# Altium PCB ISS_PCB.PcbDoc (part 1 of 4) (continued)
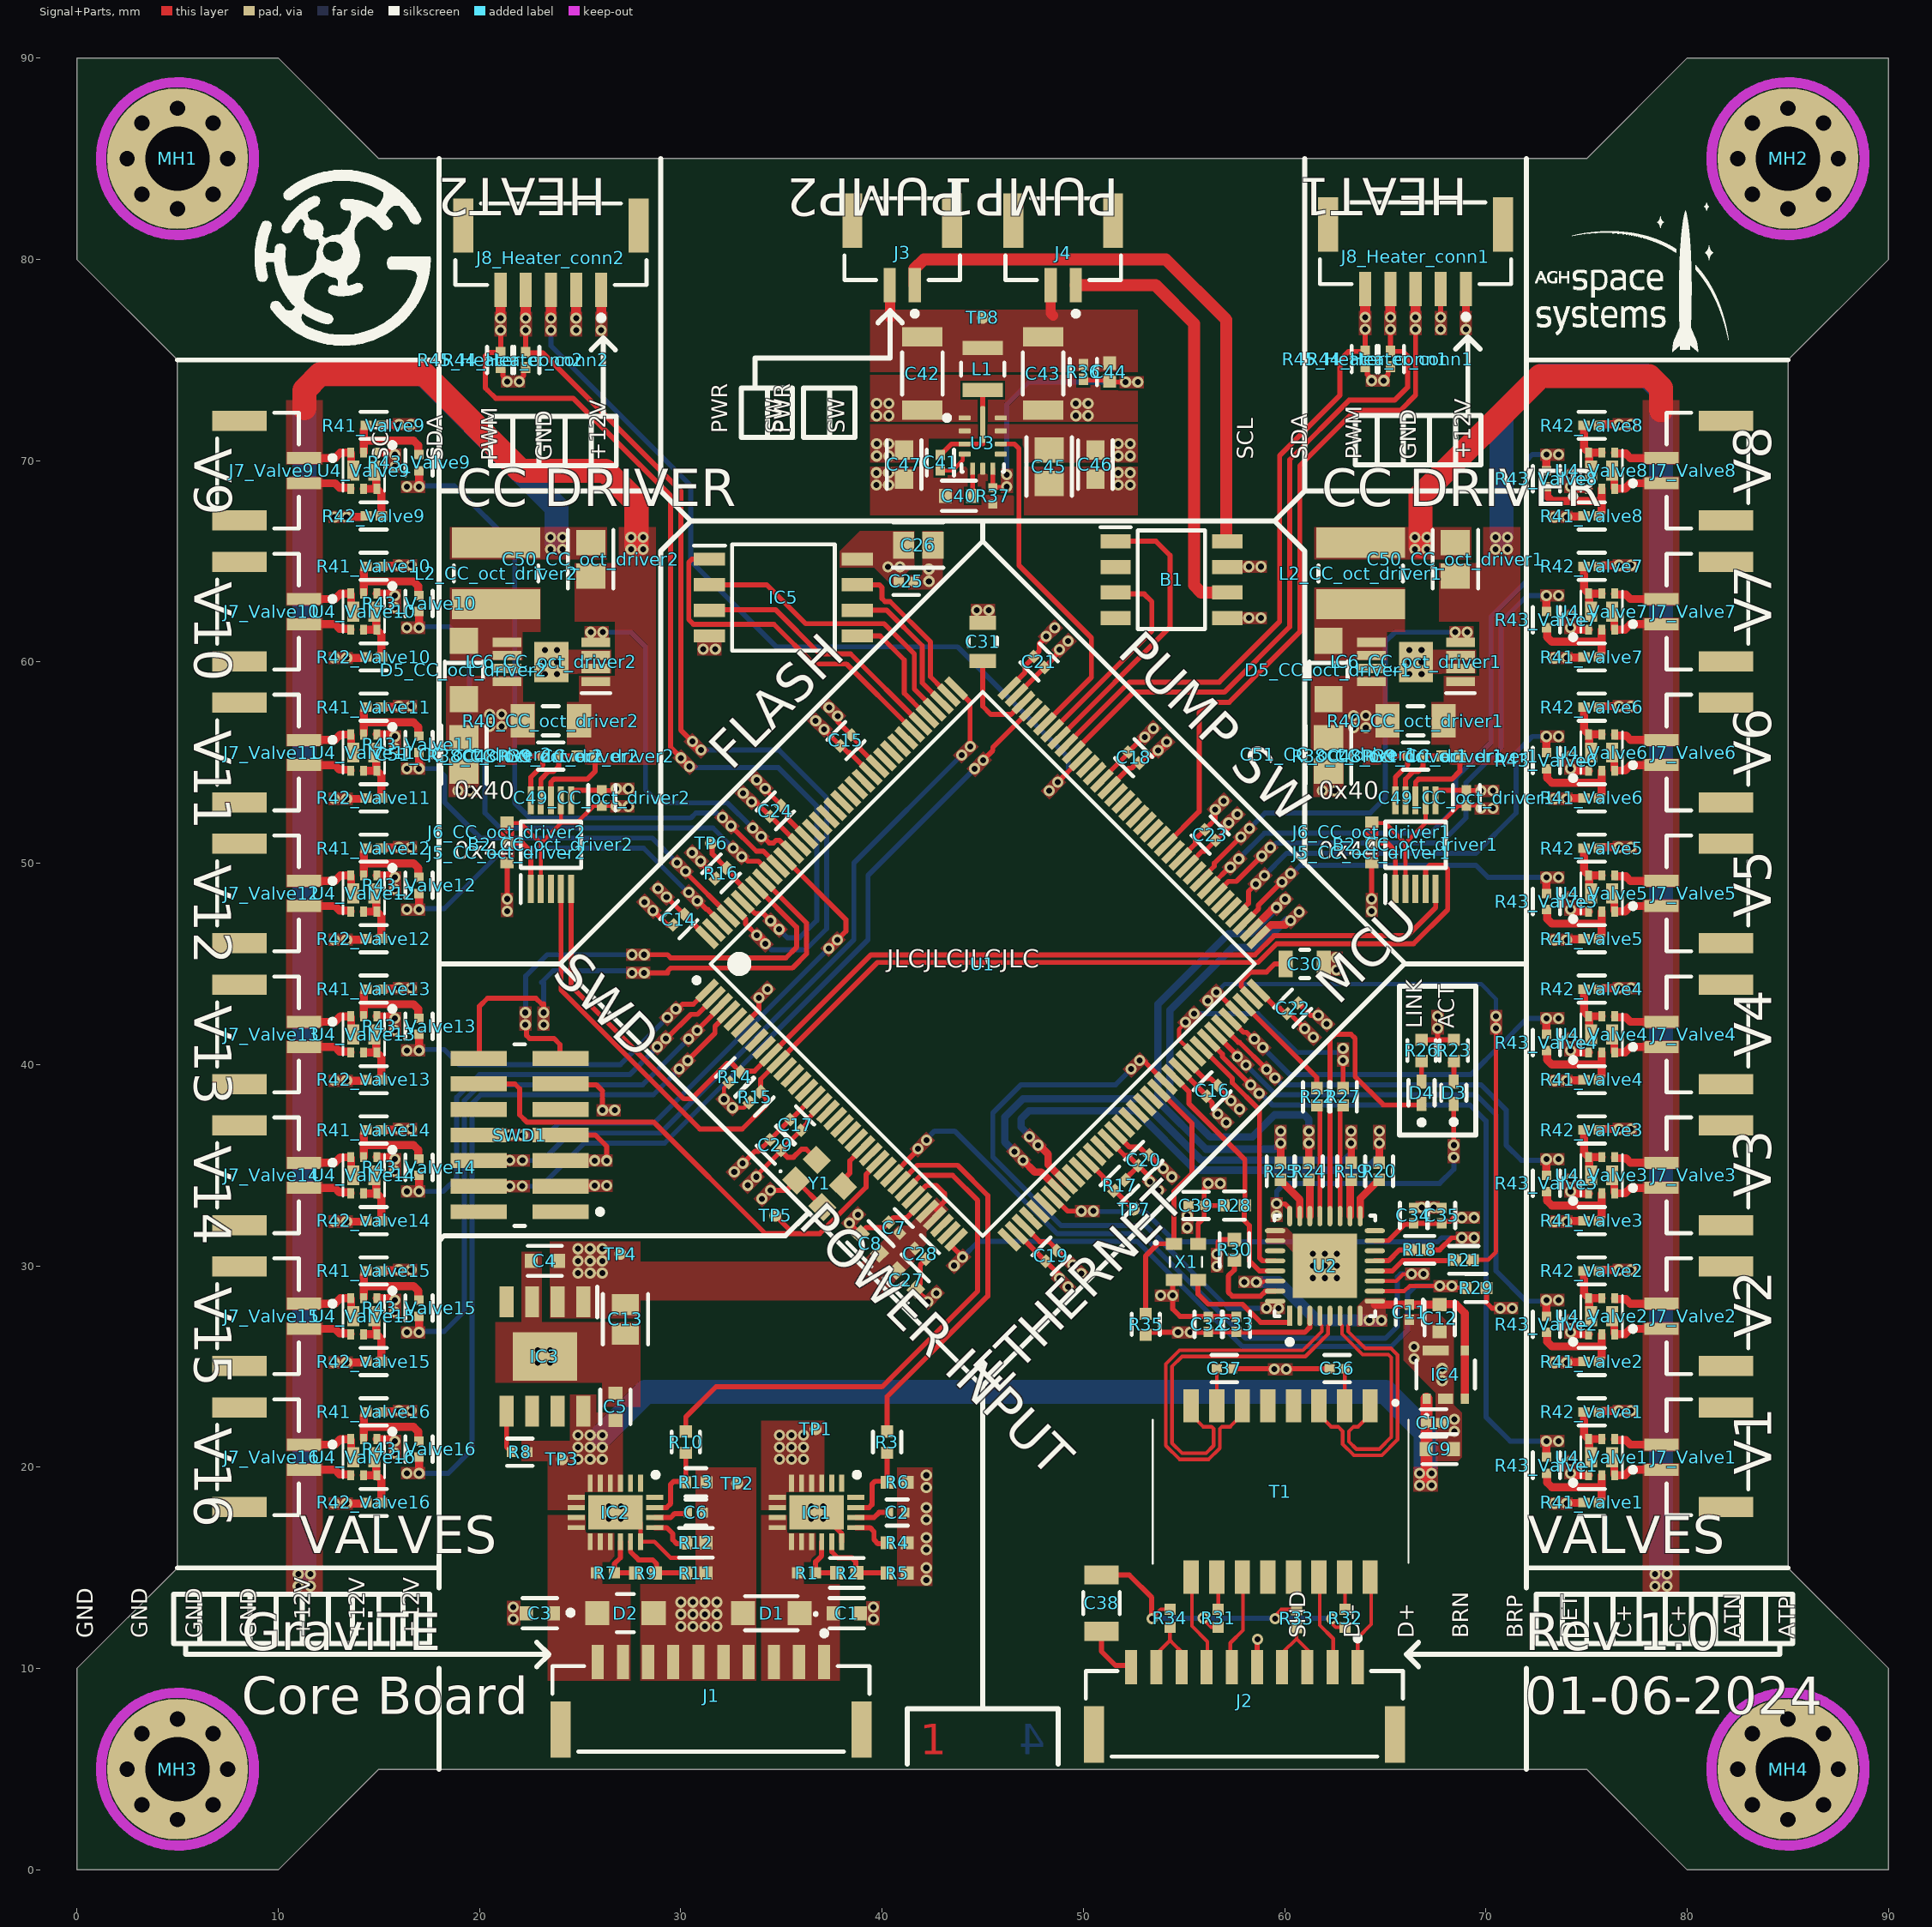
[diagram p0: Signal+Parts view]
## Components (designator, comment, footprint, x,y, rotation, side; value= is the part's Value field where it differs from the comment) (continued)
J3 "SM02B-GHS-TB(LF)(SN)" FP-SM02B-GHS-TB_LF_SN-MFG 41,81 r180 top locked
J4 "SM02B-GHS-TB(LF)(SN)" FP-SM02B-GHS-TB_LF_SN-MFG 49,81 r180 top locked
J5_CC_oct_driver1 "JUMPER" JUMPER 64.324,50.576 r180 top (schematic designator J5)
J5_CC_oct_driver2 "JUMPER" JUMPER 21.374,50.576 r180 top (schematic designator J5)
J6_CC_oct_driver1 "JUMPER" JUMPER 64.324,51.592 r180 top (schematic designator J6)
J6_CC_oct_driver2 "JUMPER" JUMPER 21.374,51.592 r180 top (schematic designator J6)
J7_Valve1 "SM02B-GHS-TB(LF)(SN)" FP-SM02B-GHS-TB_LF_SN-MFG 81,20.5 r90 top (schematic designator J7)
J7_Valve2 "SM02B-GHS-TB(LF)(SN)" FP-SM02B-GHS-TB_LF_SN-MFG 81,27.5 r90 top (schematic designator J7)
J7_Valve3 "SM02B-GHS-TB(LF)(SN)" FP-SM02B-GHS-TB_LF_SN-MFG 81,34.5 r90 top (schematic designator J7)
J7_Valve4 "SM02B-GHS-TB(LF)(SN)" FP-SM02B-GHS-TB_LF_SN-MFG 81,41.5 r90 top (schematic designator J7)
J7_Valve5 "SM02B-GHS-TB(LF)(SN)" FP-SM02B-GHS-TB_LF_SN-MFG 81,48.5 r90 top (schematic designator J7)
J7_Valve6 "SM02B-GHS-TB(LF)(SN)" FP-SM02B-GHS-TB_LF_SN-MFG 81,55.5 r90 top (schematic designator J7)
J7_Valve7 "SM02B-GHS-TB(LF)(SN)" FP-SM02B-GHS-TB_LF_SN-MFG 81,62.5 r90 top (schematic designator J7)
J7_Valve8 "SM02B-GHS-TB(LF)(SN)" FP-SM02B-GHS-TB_LF_SN-MFG 81,69.5 r90 top (schematic designator J7)
J7_Valve9 "SM02B-GHS-TB(LF)(SN)" FP-SM02B-GHS-TB_LF_SN-MFG 9,69.5 r270 top (schematic designator J7)
J7_Valve10 "SM02B-GHS-TB(LF)(SN)" FP-SM02B-GHS-TB_LF_SN-MFG 9,62.5 r270 top (schematic designator J7)
J7_Valve11 "SM02B-GHS-TB(LF)(SN)" FP-SM02B-GHS-TB_LF_SN-MFG 9,55.5 r270 top (schematic designator J7)
J7_Valve12 "SM02B-GHS-TB(LF)(SN)" FP-SM02B-GHS-TB_LF_SN-MFG 9,48.5 r270 top (schematic designator J7)
J7_Valve13 "SM02B-GHS-TB(LF)(SN)" FP-SM02B-GHS-TB_LF_SN-MFG 9,41.5 r270 top (schematic designator J7)
J7_Valve14 "SM02B-GHS-TB(LF)(SN)" FP-SM02B-GHS-TB_LF_SN-MFG 9,34.5 r270 top (schematic designator J7)
J7_Valve15 "SM02B-GHS-TB(LF)(SN)" FP-SM02B-GHS-TB_LF_SN-MFG 9,27.5 r270 top (schematic designator J7)
J7_Valve16 "SM02B-GHS-TB(LF)(SN)" FP-SM02B-GHS-TB_LF_SN-MFG 9,20.5 r270 top (schematic designator J7)
J8_Heater_conn1 "SM05B-GHS-GB-TB(LF)(SN)" FP-SM05B-GHS-GB-TB_LF_SN-MFG 66.5,80.8 r180 top (schematic designator J8)
J8_Heater_conn2 "SM05B-GHS-GB-TB(LF)(SN)" FP-SM05B-GHS-GB-TB_LF_SN-MFG 23.55,80.75 r180 top (schematic designator J8)
L1 "2.2uH" FP-MLP2520S-MFG 45,74.55 r90 top
L2_CC_oct_driver1 "74404043330A" WE-LQS_4025 63.777,64.4 r270 top (schematic designator L2)
L2_CC_oct_driver2 "74404043330A" WE-LQS_4025 20.827,64.4 r270 top (schematic designator L2)
MH1 "MountingHole_OUT8mm_IN4mm" MOUNTINGHOLE_OUT8MM_IN4MM 5,85 r0 top
MH2 "MountingHole_OUT8mm_IN4mm" MOUNTINGHOLE_OUT8MM_IN4MM 85,85 r0 top
MH3 "MountingHole_OUT8mm_IN4mm" MOUNTINGHOLE_OUT8MM_IN4MM 5,5 r0 top
MH4 "MountingHole_OUT8mm_IN4mm" MOUNTINGHOLE_OUT8MM_IN4MM 85,5 r0 top
R1 "CRCW0402110KFKED" RESC1005X40X25NL05T05 36.25,14.75 r180 top
R2 "CRCW04022K70FKED" FP-CRCW0402-e3-IPC_A 38.25,14.75 r180 top
R3 "CRCW04021K00FKED" FP-CRCW0402-e3-MFG 40.25,21.25 r90 top
R4 "CRCW040224K0FKED" RESC1005X40X25ML05T05 40.75,16.25 r180 top
R5 "CRCW04028K20FKED" RESC1005X40X25ML05T05 40.75,14.75 r180 top
R6 "ERJ-2RKF1692X" RESC1005X40X25ML05T05 40.75,19.25 r180 top
R7 "CRCW0402110KFKED" RESC1005X40X25NL05T05 26.25,14.75 r180 top
R8 "CRCW0402100KFKED" FP-CRCW0402-e3-IPC_C 22,20.75 r180 top
R9 "CRCW04028K20FKED" RESC1005X40X25ML05T05 28.25,14.75 r180 top
R10 "CRCW04021K00FKED" FP-CRCW0402-e3-MFG 30.25,21.25 r90 top
R11 "CRCW040224K0FKED" RESC1005X40X25ML05T05 30.75,14.75 r180 top
R12 "CRCW040275K0FKED" FP-CRCW0402-e3-IPC_A 30.75,16.25 r180 top
R13 "CRCW040233K2FKED" Vishay_CRCW0402-e3_MFG 30.75,19.25 r0 top
R14 "CRCW040210K0FKEDC" FP-CRCW0402-C-e3-IPC_C 32.681,39.378 r45 top
R15 "CRCW040210K0FKEDC" FP-CRCW0402-C-e3-IPC_C 33.671,38.388 r45 top
R16 "CRCW040210K0FKEDC" FP-CRCW0402-C-e3-IPC_C 32,49.5 r225 top
R17 "CRCW040210K0FKEDC" FP-CRCW0402-C-e3-IPC_C 51.8,34 r45 top
R18 "AC0402JR-0733RL" FP-AC0402-IPC_B 66.7,30.8 r0 top
R19 "AC0402JR-0733RL" FP-AC0402-IPC_B 63.3,34.7 r90 top
R20 "AC0402JR-0733RL" FP-AC0402-IPC_B 64.7,34.7 r90 top
R21 "AC0402JR-0733RL" FP-AC0402-IPC_B 68.9,30.3 r0 top
R22 "AC0402JR-0733RL" FP-AC0402-IPC_B 61.6,38.4 r90 top
R23 "CRCW04021K00FKED" FP-CRCW0402-e3-MFG 68.4,40.7 r270 top
R24 "AC0402JR-0733RL" FP-AC0402-IPC_B 61.2,34.7 r90 top
R25 "AC0402JR-0733RL" FP-AC0402-IPC_B 59.8,34.7 r90 top
R26 "CRCW04021K00FKED" FP-CRCW0402-e3-MFG 66.8,40.7 r270 top
R27 "AC0402JR-0733RL" FP-AC0402-IPC_B 62.9,38.4 r90 top
R28 "CRCW04021K00FKED" FP-CRCW0402-e3-MFG 57.5,33 r0 top
R29 "CRCW04021K00FKED" FP-CRCW0402-e3-MFG 69.5,28.9 r180 top
R30 "CRCW04026K04FKED" FP-CRCW0402-e3-IPC_A 57.5,30.8 r270 top
R31 "CRCW040275R0FKED" RESC1005X40X25NL05T05 56.7,12.5 r90 top
R32 "CRCW040275R0FKED" RESC1005X40X25NL05T05 63,12.5 r90 top
R33 "CRCW040275R0FKED" RESC1005X40X25NL05T05 60.587,12.48 r270 top
R34 "CRCW040275R0FKED" RESC1005X40X25NL05T05 54.3,12.5 r270 top
R35 "CRCW04021K00FKED" FP-CRCW0402-e3-MFG 53.1,27.1 r90 top
R36 "100k" FP-RMCF0402-IPC_C 50,74.4 r90 top
R37 "49.9k" RESC1005X40X25LL05T05 45.5,68.25 r90 top
R38_CC_oct_driver1 "CRCW040210R0FKED" RESC1005X40X25NL05T05 64.75,55.325 r0 top (schematic designator R38)
R38_CC_oct_driver2 "CRCW040210R0FKED" RESC1005X40X25NL05T05 21.8,55.325 r0 top (schematic designator R38)
R39_CC_oct_driver1 "CRCW040210R0FKED" RESC1005X40X25NL05T05 68.25,55.325 r180 top (schematic designator R39)
R39_CC_oct_driver2 "CRCW040210R0FKED" RESC1005X40X25NL05T05 25.3,55.325 r180 top (schematic designator R39)
R40_CC_oct_driver1 "RES-2" R1206 66.5,57.075 r0 top value=RLC73PD2BR287FTDF (schematic designator R40)
R40_CC_oct_driver2 "RES-2" R1206 23.55,57.075 r0 top value=RLC73PD2BR287FTDF (schematic designator R40)
R41_Valve1 "CRCW040210K0FKEDC" FP-CRCW0402-C-e3-IPC_C 75.25,18.25 r180 top (schematic designator R41)
R41_Valve2 "CRCW040210K0FKEDC" FP-CRCW0402-C-e3-IPC_C 75.25,25.25 r180 top (schematic designator R41)
R41_Valve3 "CRCW040210K0FKEDC" FP-CRCW0402-C-e3-IPC_C 75.25,32.25 r180 top (schematic designator R41)
R41_Valve4 "CRCW040210K0FKEDC" FP-CRCW0402-C-e3-IPC_C 75.25,39.25 r180 top (schematic designator R41)
R41_Valve5 "CRCW040210K0FKEDC" FP-CRCW0402-C-e3-IPC_C 75.25,46.25 r180 top (schematic designator R41)
R41_Valve6 "CRCW040210K0FKEDC" FP-CRCW0402-C-e3-IPC_C 75.25,53.25 r180 top (schematic designator R41)
R41_Valve7 "CRCW040210K0FKEDC" FP-CRCW0402-C-e3-IPC_C 75.25,60.25 r180 top (schematic designator R41)
R41_Valve8 "CRCW040210K0FKEDC" FP-CRCW0402-C-e3-IPC_C 75.25,67.25 r180 top (schematic designator R41)
R41_Valve9 "CRCW040210K0FKEDC" FP-CRCW0402-C-e3-IPC_C 14.75,71.75 r0 top (schematic designator R41)
R41_Valve10 "CRCW040210K0FKEDC" FP-CRCW0402-C-e3-IPC_C 14.75,64.75 r0 top (schematic designator R41)
R41_Valve11 "CRCW040210K0FKEDC" FP-CRCW0402-C-e3-IPC_C 14.75,57.75 r0 top (schematic designator R41)
R41_Valve12 "CRCW040210K0FKEDC" FP-CRCW0402-C-e3-IPC_C 14.75,50.75 r0 top (schematic designator R41)
R41_Valve13 "CRCW040210K0FKEDC" FP-CRCW0402-C-e3-IPC_C 14.75,43.75 r0 top (schematic designator R41)
R41_Valve14 "CRCW040210K0FKEDC" FP-CRCW0402-C-e3-IPC_C 14.75,36.75 r0 top (schematic designator R41)
R41_Valve15 "CRCW040210K0FKEDC" FP-CRCW0402-C-e3-IPC_C 14.75,29.75 r0 top (schematic designator R41)
R41_Valve16 "CRCW040210K0FKEDC" FP-CRCW0402-C-e3-IPC_C 14.75,22.75 r0 top (schematic designator R41)
R42_Valve1 "CRCW040210K0FKEDC" FP-CRCW0402-C-e3-IPC_C 75.25,22.75 r0 top (schematic designator R42)
R42_Valve2 "CRCW040210K0FKEDC" FP-CRCW0402-C-e3-IPC_C 75.25,29.75 r0 top (schematic designator R42)
R42_Valve3 "CRCW040210K0FKEDC" FP-CRCW0402-C-e3-IPC_C 75.25,36.75 r0 top (schematic designator R42)
R42_Valve4 "CRCW040210K0FKEDC" FP-CRCW0402-C-e3-IPC_C 75.25,43.75 r0 top (schematic designator R42)
R42_Valve5 "CRCW040210K0FKEDC" FP-CRCW0402-C-e3-IPC_C 75.25,50.75 r0 top (schematic designator R42)
R42_Valve6 "CRCW040210K0FKEDC" FP-CRCW0402-C-e3-IPC_C 75.25,57.75 r0 top (schematic designator R42)
R42_Valve7 "CRCW040210K0FKEDC" FP-CRCW0402-C-e3-IPC_C 75.25,64.75 r0 top (schematic designator R42)
R42_Valve8 "CRCW040210K0FKEDC" FP-CRCW0402-C-e3-IPC_C 75.25,71.75 r0 top (schematic designator R42)
R42_Valve9 "CRCW040210K0FKEDC" FP-CRCW0402-C-e3-IPC_C 14.75,67.25 r180 top (schematic designator R42)
R42_Valve10 "CRCW040210K0FKEDC" FP-CRCW0402-C-e3-IPC_C 14.75,60.25 r180 top (schematic designator R42)
R42_Valve11 "CRCW040210K0FKEDC" FP-CRCW0402-C-e3-IPC_C 14.75,53.25 r180 top (schematic designator R42)
R42_Valve12 "CRCW040210K0FKEDC" FP-CRCW0402-C-e3-IPC_C 14.75,46.25 r180 top (schematic designator R42)
R42_Valve13 "CRCW040210K0FKEDC" FP-CRCW0402-C-e3-IPC_C 14.75,39.25 r180 top (schematic designator R42)
R42_Valve14 "CRCW040210K0FKEDC" FP-CRCW0402-C-e3-IPC_C 14.75,32.25 r180 top (schematic designator R42)
R42_Valve15 "CRCW040210K0FKEDC" FP-CRCW0402-C-e3-IPC_C 14.75,25.25 r180 top (schematic designator R42)
R42_Valve16 "CRCW040210K0FKEDC" FP-CRCW0402-C-e3-IPC_C 14.75,18.25 r180 top (schematic designator R42)
R43_Valve1 "CRCW0402100RFKED" FP-CRCW0402-e3-IPC_C 73,20.1 r270 top (schematic designator R43)
R43_Valve2 "CRCW0402100RFKED" FP-CRCW0402-e3-IPC_C 73,27.1 r270 top (schematic designator R43)
R43_Valve3 "CRCW0402100RFKED" FP-CRCW0402-e3-IPC_C 73,34.1 r270 top (schematic designator R43)
R43_Valve4 "CRCW0402100RFKED" FP-CRCW0402-e3-IPC_C 73,41.1 r270 top (schematic designator R43)
R43_Valve5 "CRCW0402100RFKED" FP-CRCW0402-e3-IPC_C 73,48.1 r270 top (schematic designator R43)
R43_Valve6 "CRCW0402100RFKED" FP-CRCW0402-e3-IPC_C 73,55.1 r270 top (schematic designator R43)
R43_Valve7 "CRCW0402100RFKED" FP-CRCW0402-e3-IPC_C 73,62.1 r270 top (schematic designator R43)
R43_Valve8 "CRCW0402100RFKED" FP-CRCW0402-e3-IPC_C 73,69.1 r270 top (schematic designator R43)
R43_Valve9 "CRCW0402100RFKED" FP-CRCW0402-e3-IPC_C 17,69.9 r90 top (schematic designator R43)
R43_Valve10 "CRCW0402100RFKED" FP-CRCW0402-e3-IPC_C 17,62.9 r90 top (schematic designator R43)
R43_Valve11 "CRCW0402100RFKED" FP-CRCW0402-e3-IPC_C 17,55.9 r90 top (schematic designator R43)
R43_Valve12 "CRCW0402100RFKED" FP-CRCW0402-e3-IPC_C 17,48.9 r90 top (schematic designator R43)
R43_Valve13 "CRCW0402100RFKED" FP-CRCW0402-e3-IPC_C 17,41.9 r90 top (schematic designator R43)
R43_Valve14 "CRCW0402100RFKED" FP-CRCW0402-e3-IPC_C 17,34.9 r90 top (schematic designator R43)
R43_Valve15 "CRCW0402100RFKED" FP-CRCW0402-e3-IPC_C 17,27.9 r90 top (schematic designator R43)
R43_Valve16 "CRCW0402100RFKED" FP-CRCW0402-e3-IPC_C 17,20.9 r90 top (schematic designator R43)
R44_Heater_conn1 "CRCW040210K0FKEDC" FP-CRCW0402-C-e3-IPC_C 65.25,75.05 r270 top (schematic designator R44)
R44_Heater_conn2 "CRCW040210K0FKEDC" FP-CRCW0402-C-e3-IPC_C 22.3,75 r270 top (schematic designator R44)
R45_Heater_conn1 "CRCW040210K0FKEDC" FP-CRCW0402-C-e3-IPC_C 64,75.05 r270 top (schematic designator R45)
R45_Heater_conn2 "CRCW040210K0FKEDC" FP-CRCW0402-C-e3-IPC_C 21.05,75 r270 top (schematic designator R45)
SWD1 "FTSH-107-01-F-DV-K" FP-FTSH-107-01-F-DV-K-MFG 22,36.5 r90 top locked
T1 "HM1188NL" HM1188NL 59.8,18.8 r180 top locked
TP1 "TPAD6R" TP06R 36.7,21.9 r0 top
TP2 "TPAD6R" TP06R 32.8,19.2 r0 top
TP3 "TPAD6R" TP06R 24.1,20.4 r0 top
TP4 "TPAD6R" TP06R 27,30.6 r0 top
TP5 "TPAD6R" TP06R 34.7,32.5 r0 top
TP6 "TPAD6R" TP06R 31.5,51 r0 top
TP7 "TPAD6R" TP06R 52.5,32.8 r0 top
TP8 "TPAD6R" TP06R 45,77.1 r0 top
U1 "STM32F427ZIT6" STM-LQFP144_V 45,45 r45 top locked
U2 "KSZ8061RNBW" FP-QFN55-32LD-PL-5-IPC_A 62,30 r90 top locked
U3 "LMR36015FSCQRNXTQ1" FP-RNX0012B-MFG 45,71 r0 top
U4_Valve1 "DMN3032LFDBQ" DMN3032LFDBQ-13 75.75,20.5 r90 top (schematic designator U4)
U4_Valve2 "DMN3032LFDBQ" DMN3032LFDBQ-13 75.75,27.5 r90 top (schematic designator U4)
U4_Valve3 "DMN3032LFDBQ" DMN3032LFDBQ-13 75.75,34.5 r90 top (schematic designator U4)
U4_Valve4 "DMN3032LFDBQ" DMN3032LFDBQ-13 75.75,41.5 r90 top (schematic designator U4)
U4_Valve5 "DMN3032LFDBQ" DMN3032LFDBQ-13 75.75,48.5 r90 top (schematic designator U4)
U4_Valve6 "DMN3032LFDBQ" DMN3032LFDBQ-13 75.75,55.5 r90 top (schematic designator U4)
U4_Valve7 "DMN3032LFDBQ" DMN3032LFDBQ-13 75.75,62.5 r90 top (schematic designator U4)
U4_Valve8 "DMN3032LFDBQ" DMN3032LFDBQ-13 75.75,69.5 r90 top (schematic designator U4)
U4_Valve9 "DMN3032LFDBQ" DMN3032LFDBQ-13 14.25,69.5 r270 top (schematic designator U4)
U4_Valve10 "DMN3032LFDBQ" DMN3032LFDBQ-13 14.25,62.5 r270 top (schematic designator U4)
U4_Valve11 "DMN3032LFDBQ" DMN3032LFDBQ-13 14.25,55.5 r270 top (schematic designator U4)
U4_Valve12 "DMN3032LFDBQ" DMN3032LFDBQ-13 14.25,48.5 r270 top (schematic designator U4)
U4_Valve13 "DMN3032LFDBQ" DMN3032LFDBQ-13 14.25,41.5 r270 top (schematic designator U4)
U4_Valve14 "DMN3032LFDBQ" DMN3032LFDBQ-13 14.25,34.5 r270 top (schematic designator U4)
U4_Valve15 "DMN3032LFDBQ" DMN3032LFDBQ-13 14.25,27.5 r270 top (schematic designator U4)
U4_Valve16 "DMN3032LFDBQ" DMN3032LFDBQ-13 14.25,20.5 r270 top (schematic designator U4)
X1 "MC2016K25.0000C16ESH" MC2016K250000C16ESH 55.1,30.2 r270 top locked
Y1 "MC2520Z8.00000C19XSH" MC2520Z800000C19XSH 36.9,34.1 r315 top

## Footprints (in the part's own frame and the unit in brackets; to place one, negate y for a bottom-side part, rotate by r counter-clockwise, add the part's x,y. Pads: shape width x height; smd on the part's side, far side on the other; paste and mask are expansions set on the pad)
CAPC1005X56X25NL10T15 [mm] "Chip Capacitor, 2-Leads, Body 1.00x0.50mm, IPC Medium Density"
  rect 0.68x0.64 smd: 1(-0.44,0) 2(0.44,0)
  body extent -0.55,-0.3 0.55,0.3, height 0.56
DMN3032LFDBQ-13 [mm]
  rect 0.5x0.35 smd: 1(-0.9,0.65) 2(-0.9,0) 3(-0.9,-0.65) 4(0.9,-0.65) 5(0.9,0) 6(0.9,0.65)
  rect 1x0.6 smd: 7(0,0.525) 8(0,-0.525)
  silkscreen extent -1.37,-1.04 1.04,1.52, body extent -1,-1.03 1,0.97, height 0.61
FP-AC0402-IPC_B [mm]
  rect 0.615x0.572 smd paste+0 mask+0: 1(-0.429,0) 2(0.429,0)
  silkscreen extent -0.74,-0.69 0.74,0.69, body extent -0.89,-0.44 0.89,0.44, height 0.25
FP-BM10B-GHS-TBT_LF_SN-MFG [mm]
  rect 0.6x1.7 smd paste+0 mask+0: 1(5.625,2.325) 2(4.375,2.325) 3(3.125,2.325) 4(1.875,2.325) 5(0.625,2.325) 6(-0.625,2.325) 7(-1.875,2.325) 8(-3.125,2.325) 9(-4.375,2.325) 10(-5.625,2.325)
  rect 1x2.8 smd paste+0 mask+0: 11(-7.475,-1.025) 12(7.475,-1.025)
  silkscreen extent -7.88,-2.12 7.88,3.87, body extent -8.08,-2.52 8.08,3.27, height 0.25
FP-C1206C-EF-MFG [mm]
  rect 0.95x1.7 smd paste+0 mask+0: 1(-1.4,0) 2(1.4,0)
  silkscreen extent -0.55,-0.9 0.55,0.9, body extent -2,-1 2,1, height 0.25
FP-CGA5L-0_3-0_1-IPC_A [mm]
  rect 0.956x2.006 smd paste+0 mask+0: 1(-1.825,0) 2(1.825,0)
  silkscreen extent -1.05,-1 1.05,1, body extent -2.8,-1.5 2.8,1.5, height 0.25
FP-CRCW0402-C-e3-IPC_C [mm]
  rect 0.56x0.472 smd paste+0 mask+0: 1(-0.376,0) 2(0.376,0)
  silkscreen extent -0.66,-0.67 0.66,0.67, body extent -0.76,-0.38 0.76,0.38, height 0.25
FP-CRCW0402-e3-IPC_A [mm]
  rect 0.668x0.672 smd paste+0 mask+0: 1(-0.502,0) 2(0.502,0)
  silkscreen extent -0.84,-0.74 0.84,0.74, body extent -1.04,-0.54 1.04,0.54, height 0.25
FP-CRCW0402-e3-IPC_C [mm]
  rect 0.468x0.472 smd paste+0 mask+0: 1(-0.402,0) 2(0.402,0)
  silkscreen extent -0.64,-0.67 0.64,0.67, body extent -0.74,-0.38 0.74,0.38, height 0.25
FP-CRCW0402-e3-MFG [mm]
  rect 0.6x0.6 smd paste+0 mask+0: 1(-0.525,0) 2(0.525,0)
  silkscreen extent -0.53,-0.7 0.53,0.7, body extent -0.92,-0.4 0.92,0.4, height 0.25
FP-FTSH-107-01-F-DV-K-MFG [mm]
  rect 0.74x2.79 smd paste+0 mask+0: 1(-3.81,-2.035) 2(-3.81,2.035) 3(-2.54,-2.035) 4(-2.54,2.035) 5(-1.27,-2.035) 6(-1.27,2.035) 7(0,-2.035) 8(0,2.035) 9(1.27,-2.035) 10(1.27,2.035) 11(2.54,-2.035) 12(2.54,2.035) 13(3.81,-2.035) 14(3.81,2.035)
  silkscreen extent -4.51,-4.12 4.51,0.27, body extent -4.61,-3.53 4.61,3.53, height 0.25
FP-GCM21B-0_2-e0_2_0_7-IPC_B [mm]
  rect 1.255x1.456 smd paste+0 mask+0: 1(-0.826,0) 2(0.826,0)
  silkscreen extent -1.45,-1.13 1.45,1.13, body extent -1.7,-0.98 1.7,0.98, height 0.25
FP-GCM21B-0_2-e0_2_0_7-IPC_C [mm]
  rect 1.055x1.356 smd paste+0 mask+0: 1(-0.726,0) 2(0.726,0)
  silkscreen extent -1.25,-1.13 1.25,1.13, body extent -1.35,-0.82 1.35,0.83, height 0.25
FP-GCM21B-0_15-MFG [mm]
  rect 0.7x1.3 smd paste+0 mask+0: 1(-0.95,0) 2(0.95,0)
  silkscreen extent -0.23,-0.7 0.23,0.7, body extent -1.4,-0.8 1.4,0.8, height 0.25
FP-GCM155-0_05-IPC_C [mm]
  rect 0.515x0.472 smd paste+0 mask+0: 1(-0.379,0) 2(0.379,0)
  silkscreen extent -0.64,-0.68 0.64,0.68, body extent -0.74,-0.38 0.74,0.38, height 0.25
FP-GCM155-0_05-MFG [mm]
  rect 0.4x0.5 smd paste+0 mask+0: 1(-0.4,0) 2(0.4,0)
  silkscreen extent -0.53,-0.65 0.53,0.65, body extent -0.7,-0.38 0.7,0.38, height 0.25
FP-GCM188-0_1-IPC_B [mm]
  rect 0.959x0.912 smd paste+0 mask+0: 1(-0.727,0) 2(0.727,0)
  silkscreen extent -1.21,-0.86 1.21,0.86, body extent -1.46,-0.71 1.46,0.71, height 0.25
FP-GCM188-0_1-MFG [mm]
  rect 0.65x0.7 smd paste+0 mask+0: 1(-0.675,0) 2(0.675,0)
  silkscreen extent -0.85,-0.75 0.85,0.75, body extent -1.1,-0.55 1.1,0.55, height 0.25
FP-GRT21B-0_2-IPC_B [mm]
  rect 1.255x1.456 smd paste+0 mask+0: 1(-0.826,0) 2(0.826,0)
  silkscreen extent -1.45,-1.13 1.45,1.13, body extent -1.7,-0.98 1.7,0.98, height 0.25
FP-MLP2520S-MFG [mm]
  rect 0.7x2 smd paste+0 mask+0: 1(-1.05,0) 2(1.05,0)
  silkscreen extent -0.33,-1.07 0.33,1.07, body extent -1.5,-1.18 1.5,1.17, height 0.25
FP-QFN55-32LD-PL-5-IPC_A [mm]
  rect 1.008x0.239 smd paste+0 mask+0: 1(-2.475,1.75)
  rrect100% 1.008x0.239 smd paste+0 mask+0: 2(-2.475,1.25) 3(-2.475,0.75) 4(-2.475,0.25) 5(-2.475,-0.25) 6(-2.475,-0.75) 7(-2.475,-1.25) 8(-2.475,-1.75) 17(2.475,-1.75) 18(2.475,-1.25) 19(2.475,-0.75) 20(2.475,-0.25) 21(2.475,0.25) 22(2.475,0.75) 23(2.475,1.25) 24(2.475,1.75)
  rrect100% 0.239x1.008 smd paste+0 mask+0: 9(-1.75,-2.475) 10(-1.25,-2.475) 11(-0.75,-2.475) 12(-0.25,-2.475) 13(0.25,-2.475) 14(0.75,-2.475) 15(1.25,-2.475) 16(1.75,-2.475) 25(1.75,2.475) 26(1.25,2.475) 27(0.75,2.475) 28(0.25,2.475) 29(-0.25,2.475) 30(-0.75,2.475) 31(-1.25,2.475) 32(-1.75,2.475)
  rect 3.2x3.2 smd paste-1000 mask+0: 33(0,0)
  silkscreen extent -3.9,-2.5 2.5,2.5, body extent -3.48,-3.48 3.48,3.48, height 0.25
FP-RMCF0402-IPC_C [mm]
  rect 0.581x0.472 smd paste+0 mask+0: 1(-0.366,0) 2(0.366,0)
  silkscreen extent -0.66,-0.67 0.66,0.67, body extent -0.76,-0.38 0.76,0.38, height 0.25
FP-RNX0012B-MFG [mm]
  rrect40% 0.6x0.25 smd paste+0 mask+0: 1(-0.9,1.125) 2(-0.9,0.475) 3(-0.9,-0.175) 4(-0.9,-0.675) 8(0.9,-0.675) 9(0.9,-0.175) 10(0.9,0.475) 11(0.9,1.125)
  rrect40% 0.25x0.6 smd paste+0 mask+0: 5(-0.5,-1.4) 6(0,-1.4) 7(0.5,-1.4)
  rrect40% 0.25x1.825 smd paste-1000 mask+0: 12(0,0.788)
  silkscreen extent -1.9,-1.55 1.05,1.25, body extent -1.3,-1.8 1.3,1.8, height 0.25
FP-S8-V-3915_01-001-MFG [mm]
  rect 1.3x1.4 smd paste+0 mask+0: 1(-1.45,0) 2(1.45,0)
  silkscreen extent -0.42,-0.95 0.42,0.95, body extent -2.2,-1.05 2.2,1.05, height 0.25
FP-SM02B-GHS-TB_LF_SN-MFG [mm]
  rect 0.6x1.7 smd paste+0 mask+0: 1(-0.625,2.275) 2(0.625,2.275)
  rect 1x2.7 smd paste+0 mask+0: 3(-2.475,-0.925) 4(2.475,-0.925)
  silkscreen extent -2.88,-2.02 2.88,3.82, body extent -3.08,-2.37 3.08,3.22, height 0.25
FP-SM05B-GHS-GB-TB_LF_SN-MFG [mm]
  rect 0.6x1.7 smd paste+0 mask+0: 1(-2.5,2.275) 2(-1.25,2.275) 3(0,2.275) 4(1.25,2.275) 5(2.5,2.275)
  rect 1x2.7 smd paste+0 mask+0: 6(-4.35,-0.925) 7(4.35,-0.925)
  silkscreen extent -4.75,-2.02 4.75,3.77, body extent -4.95,-2.37 4.95,3.22, height 0.25
FP-SML-LX0402SOC-TR-MFG [mm]
  rect 0.7x0.5 smd paste+0 mask+0: 1(-0.55,0) 2(0.55,0)
  silkscreen extent -1.57,-0.62 0.4,0.62, body extent -1,-0.47 1,0.48, height 0.25
FP-SML-LX0402SUGC-TR-MFG [mm]
  rect 0.7x0.5 smd paste+0 mask+0: 1(-0.55,0) 2(0.55,0)
  silkscreen extent -1.6,-0.65 0.62,0.65, body extent -1,-0.48 1,0.48, height 0.25
FP-SOD123W-MFG [mm]
  rect 1.2x1.2 smd paste-1000 mask+0: 1(-1.4,0) 2(1.4,0)
  silkscreen extent -2.85,-0.95 0.43,0.95, body extent -2.2,-1.05 2.2,1.05, height 0.25
HM1188NL [mil]
  rect 30x65 smd: 1(-175,-167.52) 2(-125,-167.52) 3(-75,-167.52) 4(-25,-167.52) 5(25,-167.52) 6(75,-167.52) 7(125,-167.52) 8(175,-167.52) 9(175,167.52) 10(125,167.52) 11(75,167.52) 12(25,167.52) 13(-25,167.52) 14(-75,167.52) 15(-125,167.52) 16(-175,167.52)
  silkscreen extent -250,-177 250,142, body extent -250,-197 250,197, height 239
JUMPER [mm]
  rect 0.65x0.55 smd paste-2.54 mask-2.54: 1(0,-0.45) 2(0,0.55)
  Signal+Parts region: -0.325,-0.041 0,0.284 0.325,-0.041 0.325,0.318 -0.325,0.317
  Signal+Parts region: -0.325,-0.175 0.003,0.152 0.325,-0.175
MC2016K250000C16ESH [mm]
  rect 0.6x0.8 smd: 1(-0.9,-0.6) 2(0.9,-0.6) 3(0.9,0.6) 4(-0.9,0.6)
  silkscreen extent -1,-1.55 0.25,0.8, body extent -1.14,-0.94 1.14,0.94, height 0.9
MC2520Z800000C19XSH [mm]
  rect 1.05x0.95 smd: 1(-0.925,-0.725) 2(0.925,-0.725) 3(0.925,0.725) 4(-0.925,0.725)
  silkscreen extent -1.85,-1 -1.75,-0.9, body extent -1.35,-1.1 1.36,1.1, height 1
MOUNTINGHOLE_OUT8MM_IN4MM [mil]
  round 60 hole 30: 1(-98.43,0) 1(-69.6,-69.6) 1(-69.6,69.6) 1(0,-98.43) 1(0,98.43) 1(69.6,-69.6) 1(69.6,69.6) 1(98.43,0)
  round 275.59 hole 125.98: 1(0,0)
  Keep-Out Layer circle w20: c0,0 r149.61
QFN50P300X400X80-21N [mm]
  rect 0.85x0.25 smd: 1(-1.45,1.25) 2(-1.45,0.75) 3(-1.45,0.25) 4(-1.45,-0.25) 5(-1.45,-0.75) 6(-1.45,-1.25) 11(1.45,-1.25) 12(1.45,-0.75) 13(1.45,-0.25) 14(1.45,0.25) 15(1.45,0.75) 16(1.45,1.25)
  rect 0.25x0.85 smd: 7(-0.75,-1.95) 8(-0.25,-1.95) 9(0.25,-1.95) 10(0.75,-1.95) 17(0.75,1.95) 18(0.25,1.95) 19(-0.25,1.95) 20(-0.75,1.95)
  rect 1.7x2.7 smd: 21(0,0)
  silkscreen extent -2,1.88 -1.75,2.13, body extent -1.5,-2 1.5,2, height 0.8
R1206 [mm] "Chip Resistor, 2-Leads, Body 3.25x1.65mm, IPC Medium Density"
  rect 1.2x1.65 smd: 1(-1.4,0) 2(1.4,0)
  silkscreen extent -0.4,-0.72 0.4,0.72, body extent -1.63,-0.82 1.63,0.82, height 0.7
RESC1005X40X25LL05T05 [mm] "Chip Resistor, 2-Leads, Body 1.05x0.55mm, IPC High Density"
  rect 0.45x0.45 smd: 1(-0.4,0) 2(0.4,0)
  body extent -0.53,-0.28 0.53,0.28, height 0.4
RESC1005X40X25ML05T05 [mm] "Chip Resistor, 2-Leads, Body 1.00x0.50mm, IPC Low Density"
  rect 0.65x0.65 smd: 1(-0.5,0) 2(0.5,0)
  body extent -0.53,-0.27 0.53,0.28, height 0.4
RESC1005X40X25NL05T05 [mm] "Chip Resistor, 2-Leads, Body 1.00x0.50mm, IPC Medium Density"
  rect 0.55x0.55 smd: 1(-0.45,0) 2(0.45,0)
  body extent -0.53,-0.27 0.53,0.28, height 0.4
SOD123W [mm]
  rect 1.2x1.2 smd: 1(-1.4,0) 2(1.4,0)
  silkscreen extent -2.25,-0.85 1.3,0.85, body extent -1.9,-1 1.6,1, height 1.07
SOIC127P600X100-9N [mm]
  rect 1.525x0.7 smd: 1(-2.712,1.905) 2(-2.712,0.635) 3(-2.712,-0.635) 4(-2.712,-1.905) 5(2.712,-1.905) 6(2.712,-0.635) 7(2.712,0.635) 8(2.712,1.905)
  rect 2.4x3.2 smd: 9(0,0)
  silkscreen extent -3.47,2.61 -1.95,2.61, body extent -3,-2.45 3,2.45, height 1
SOIC127P600X165-8N [mm]
  rect 1.5x0.7 smd: 1(-2.775,1.905) 2(-2.775,0.635) 3(-2.775,-0.635) 4(-2.775,-1.905) 5(2.775,-1.905) 6(2.775,-0.635) 7(2.775,0.635) 8(2.775,1.905)
  silkscreen extent -3.53,-2.45 1.67,2.61, body extent -3.15,-2.63 3.15,2.63, height 1.65
SOIC127P800X216-8N [mm]
  rect 1.55x0.65 smd: 1(-3.675,1.905) 2(-3.675,0.635) 3(-3.675,-0.635) 4(-3.675,-1.905) 5(3.675,-1.905) 6(3.675,-0.635) 7(3.675,0.635) 8(3.675,1.905)
  silkscreen extent -4.45,-2.64 2.55,2.64, body extent -4,-2.64 4,2.64, height 2.16
SOP50P490X110-10N [mm]
  rect 1.4x0.3 smd: 1(-2.2,1) 2(-2.2,0.5) 3(-2.2,0) 4(-2.2,-0.5) 5(-2.2,-1) 6(2.2,-1) 7(2.2,-0.5) 8(2.2,0) 9(2.2,0.5) 10(2.2,1)
  silkscreen extent -2.9,-1.5 1.15,1.5, body extent -2.46,-1.5 2.46,1.5, height 1.07
SOP65P490X110-9N [mm]
  rect 1.425x0.45 smd: 1(-2.212,0.975) 2(-2.212,0.325) 3(-2.212,-0.325) 4(-2.212,-0.975) 5(2.212,-0.975) 6(2.212,-0.325) 7(2.212,0.325) 8(2.212,0.975)
  rect 1.7x2 smd: 9(0,0)
  silkscreen extent -2.93,1.55 -1.5,1.55, body extent -2.45,-1.5 2.45,1.5, height 1.1
STM-LQFP144_V [mm] "Thin QFP, 144-Leads, Body 20x20mm, Pitch 0.5mm, ST Recommended"
  rect 1.35x0.35 smd: 1(-10.625,8.75) 2(-10.625,8.25) 3(-10.625,7.75) 4(-10.625,7.25) 5(-10.625,6.75) 6(-10.625,6.25) 7(-10.625,5.75) 8(-10.625,5.25) 9(-10.625,4.75) 10(-10.625,4.25) 11(-10.625,3.75) 12(-10.625,3.25) 13(-10.625,2.75) 14(-10.625,2.25) 15(-10.625,1.75) 16(-10.625,1.25) 17(-10.625,0.75) 18(-10.625,0.25) 19(-10.625,-0.25) 20(-10.625,-0.75) 21(-10.625,-1.25) 22(-10.625,-1.75) 23(-10.625,-2.25) 24(-10.625,-2.75) 25(-10.625,-3.25) 26(-10.625,-3.75) 27(-10.625,-4.25) 28(-10.625,-4.75) 29(-10.625,-5.25) 30(-10.625,-5.75) 31(-10.625,-6.25) 32(-10.625,-6.75) 33(-10.625,-7.25) 34(-10.625,-7.75) 35(-10.625,-8.25) 36(-10.625,-8.75) 73(10.625,-8.75) 74(10.625,-8.25) 75(10.625,-7.75) 76(10.625,-7.25) 77(10.625,-6.75) 78(10.625,-6.25) 79(10.625,-5.75) 80(10.625,-5.25) 81(10.625,-4.75) 82(10.625,-4.25) 83(10.625,-3.75) 84(10.625,-3.25) 85(10.625,-2.75) 86(10.625,-2.25) 87(10.625,-1.75) 88(10.625,-1.25) 89(10.625,-0.75) 90(10.625,-0.25) 91(10.625,0.25) 92(10.625,0.75) 93(10.625,1.25) 94(10.625,1.75) 95(10.625,2.25) 96(10.625,2.75) 97(10.625,3.25) 98(10.625,3.75) 99(10.625,4.25) 100(10.625,4.75) 101(10.625,5.25) 102(10.625,5.75) 103(10.625,6.25) 104(10.625,6.75) 105(10.625,7.25) 106(10.625,7.75) 107(10.625,8.25) 108(10.625,8.75)
  rect 0.35x1.35 smd: 37(-8.75,-10.625) 38(-8.25,-10.625) 39(-7.75,-10.625) 40(-7.25,-10.625) 41(-6.75,-10.625) 42(-6.25,-10.625) 43(-5.75,-10.625) 44(-5.25,-10.625) 45(-4.75,-10.625) 46(-4.25,-10.625) 47(-3.75,-10.625) 48(-3.25,-10.625) 49(-2.75,-10.625) 50(-2.25,-10.625) 51(-1.75,-10.625) 52(-1.25,-10.625) 53(-0.75,-10.625) 54(-0.25,-10.625) 55(0.25,-10.625) 56(0.75,-10.625) 57(1.25,-10.625) 58(1.75,-10.625) 59(2.25,-10.625) 60(2.75,-10.625) 61(3.25,-10.625) 62(3.75,-10.625) 63(4.25,-10.625) 64(4.75,-10.625) 65(5.25,-10.625) 66(5.75,-10.625) 67(6.25,-10.625) 68(6.75,-10.625) 69(7.25,-10.625) 70(7.75,-10.625) 71(8.25,-10.625) 72(8.75,-10.625) 109(8.75,10.625) 110(8.25,10.625) 111(7.75,10.625) 112(7.25,10.625) 113(6.75,10.625) 114(6.25,10.625) 115(5.75,10.625) 116(5.25,10.625) 117(4.75,10.625) 118(4.25,10.625) 119(3.75,10.625) 120(3.25,10.625) 121(2.75,10.625) 122(2.25,10.625) 123(1.75,10.625) 124(1.25,10.625) 125(0.75,10.625) 126(0.25,10.625) 127(-0.25,10.625) 128(-0.75,10.625) 129(-1.25,10.625) 130(-1.75,10.625) 131(-2.25,10.625) 132(-2.75,10.625) 133(-3.25,10.625) 134(-3.75,10.625) 135(-4.25,10.625) 136(-4.75,10.625) 137(-5.25,10.625) 138(-5.75,10.625) 139(-6.25,10.625) 140(-6.75,10.625) 141(-7.25,10.625) 142(-7.75,10.625) 143(-8.25,10.625) 144(-8.75,10.625)
  silkscreen extent -10.75,-9.55 9.55,9.6, body extent -10,-10 10,10, height 1.6
TLS202A1MBVHTSA1 [mm]
  rect 0.4x0.5 smd: 1(-0.95,-1.2) 3(0.95,-1.2) 4(0.95,1.2)
  rect 0.75x0.5 smd: 2(0,-1.2)
  rect 1.3x0.5 smd: 5(-0.5,1.2)
  silkscreen extent -1.45,-2.1 1.45,0.7, body extent -1.45,-1.25 1.45,1.25, height 0.55
TP06R [mm] "Testpoint, round, d=0.6mm"
  round 0.6 smd paste-1: 1(0,0)
Vishay_CRCW0402-e3_MFG [mm]
  rect 0.6x0.6 smd paste+0 mask+0: 1(-0.525,0) 2(0.525,0)
  silkscreen extent -0.53,-0.7 0.53,0.7, body extent -0.92,-0.4 0.92,0.4, height 0.25
WE-LQS_4025 [mm] "SMD Power Inductor, 2-Leads, body 4x4mm"
  rect 1.5x4.4 smd: 1(-1.525,0) 2(1.525,0)
  silkscreen extent -0.4,-2.1 0.4,2.1, body extent -2,-2 2,2, height 2.15